# Altium PCB cheriot-test.PcbDoc (part 7 of 12) (continued)
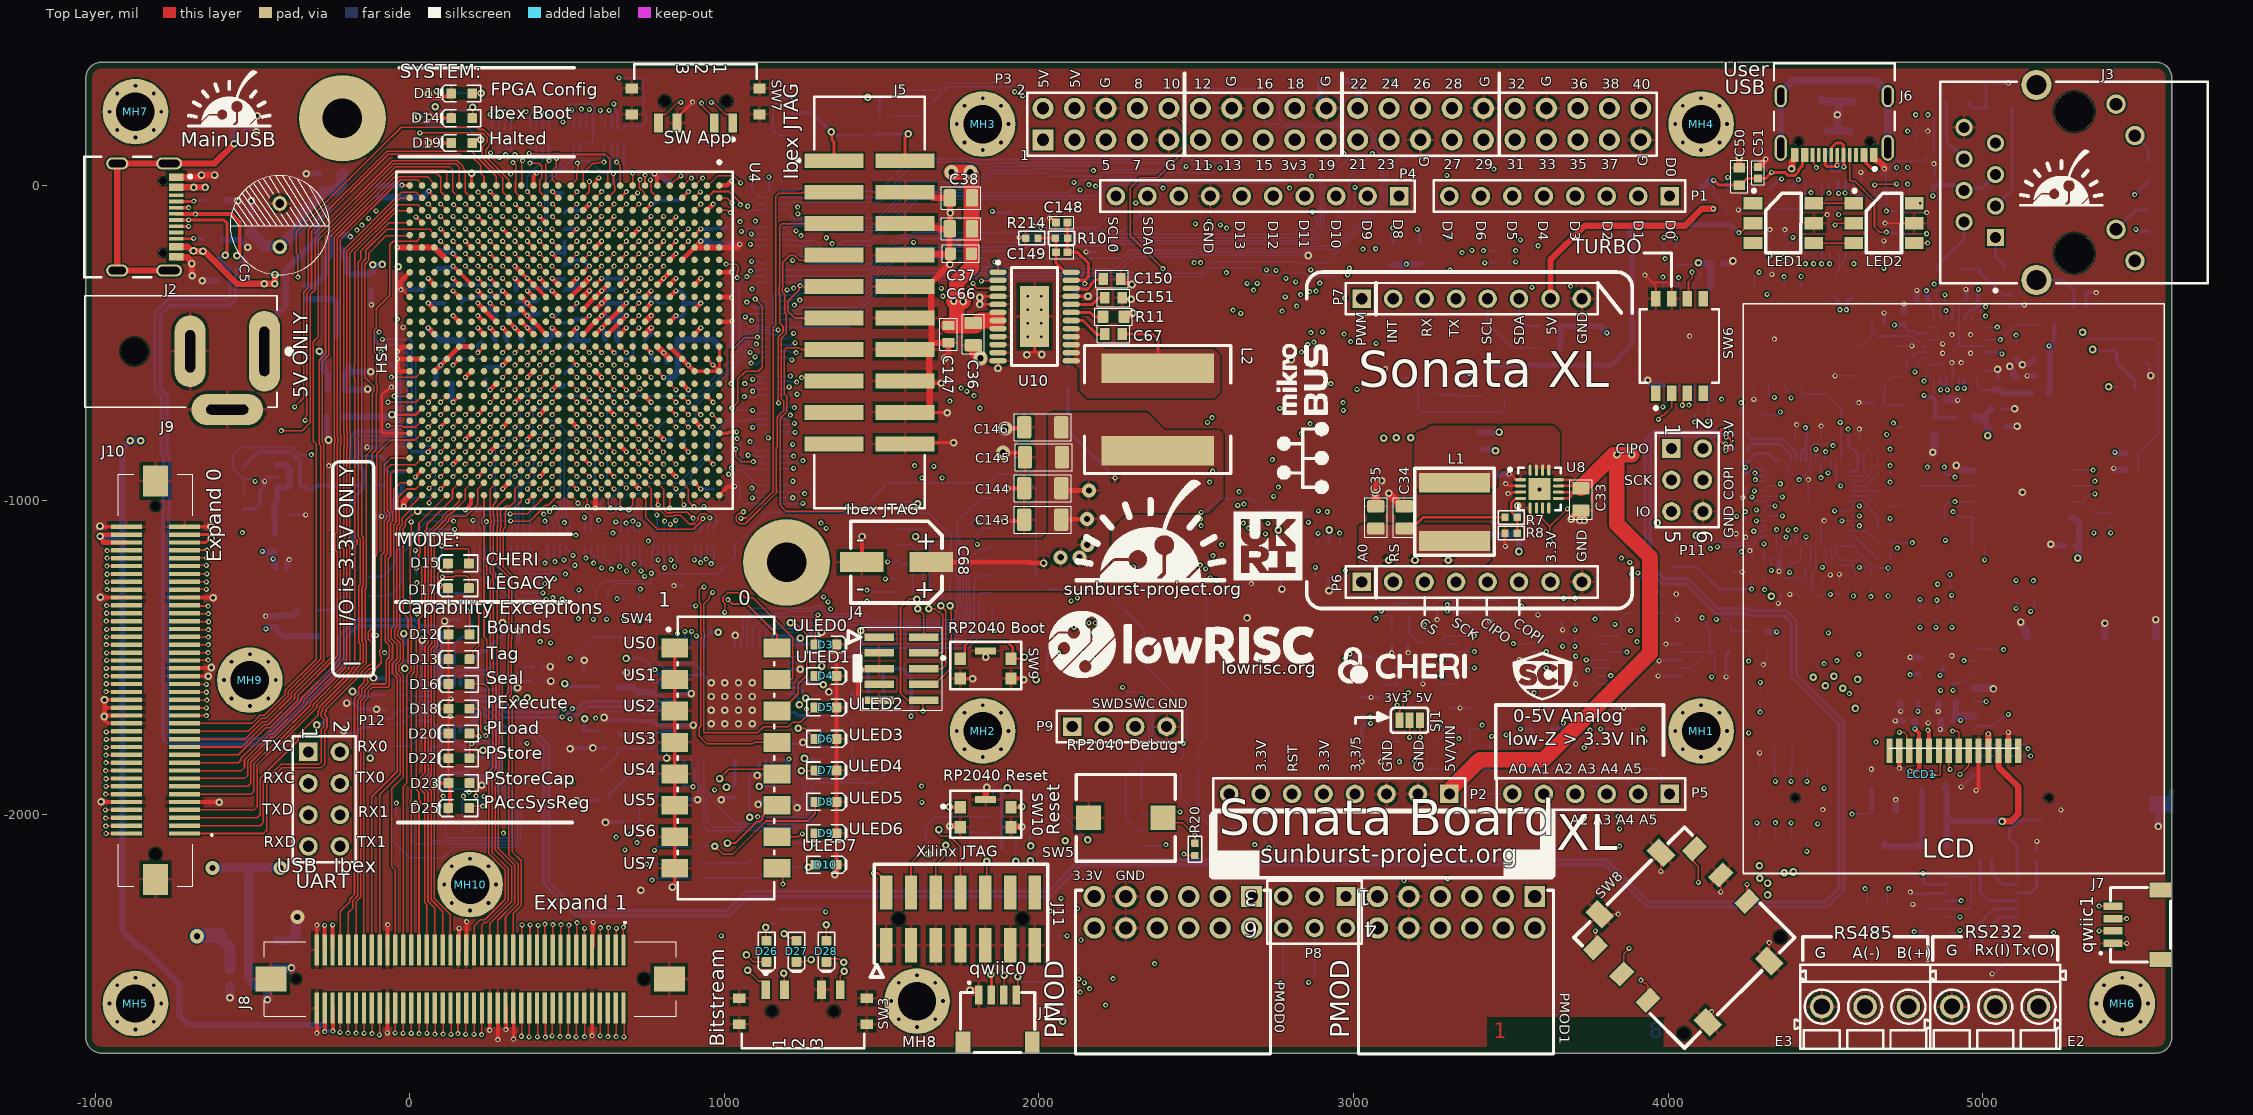
[diagram p0: Top Layer view]
## Nets (pads, with @x,y where several pads share a name; then routed paths per layer and width w, separated by ;. In a path a pad name is that pad's centre, name@x,y a point inside that pad or via, vN(x,y) a via of type N, cw(c..) or ccw(c..) an arc to the next point about the centre after c; other vN are vias at no path point) (continued)
  Bottom Layer w10: v1@-461,-932.57 -455.02,-926.59 -421.83,-926.59 U15.2@-421.17,-925.92 ; C57.2@-380.46,-1048.17 -379.29,-1047 v1(-331,-1047) ; v1(-257,-890) -255.85,-891.15 -235.23,-891.15 C58.2@-228.02,-898.36 ; v1(-135,-832) -134.74,-831.74 C152.2@-78.23,-831.74 ; v1@-87,-1053 -87,-1051.62 -86.23,-1050.85 -66.85,-1050.85 -52,-1036 -52,-999 -25.35,-972.35 -25.35,-956.69 R195.1@-18.54,-949.88 ; C16.2@337.79,-369.09 338.09,-369.39 365.39,-369.39 ; v2(689,-1548) 690,-1549 722.81,-1549 C70.2@723.5,-1548.31 ; v1@808,-808 808.04,-808.04 835.93,-808.04 C21.2@836.89,-809 ; v1(2150,-211) 2150.17,-210.83 C24.2@2180.8,-210.83 ; R81.1@3025.98,-1806.81 R81.1@3025.98,-1806.81 3026.03,-1831.48 v1(3026.08,-1831.53) ; R90.1@3025.98,-1626.5 3026.14,-1626.65 v1(3055.98,-1626.65) 3085.83,-1626.65 R88.2@3085.98,-1626.81 ; v1(3085.98,-1831.62) R80.2@3085.98,-1806.81 ; v1(3121.35,-1484.42) 3121.35,-1477.45 R96.1@3121.35,-1459.61 ; v1(3173.67,-1484.42) 3173.67,-1477.45 R95.2@3173.67,-1459.61 ; v1(3220.17,-1583.95) 3220.17,-1576.98 C97.2@3220.17,-1558.35 ; v1(3265.98,-1379.93) R110.1@3265.98,-1358.06 ; R76.1@3306.3,-1660.4 3332.02,-1660.4 v1(3338.98,-1660.4) R87.1@3369.36,-1660.4 ; R109.2@3428.3,-1358.06 3428.3,-1380.24 v1(3432.98,-1384.92) ; v1(3526.87,-1507.29) U20.11@3560.16,-1507.29 ; R94.1@3566.3,-1660.4 3592.02,-1660.4 v1(3598.98,-1660.4) 3599.22,-1660.16 3629.13,-1660.16 R101.1@3629.36,-1659.92 ; v1(3586.3,-1364.73) 3586.3,-1357.77 R103.1@3586.3,-1339.92 ; v1(3664.43,-1412.42) 3664.43,-1405.45 R102.2@3664.43,-1387.6 ; v1(3705.98,-1583.63) C99.2@3705.98,-1558.03 ; R108.1@3825.98,-1660.4 3851.71,-1660.4 v1(3858.67,-1660.4) R115.1@3889.05,-1660.4 ; v1(3967.98,-1558.95) U21.13@4040.91,-1558.95 ; v1(3971.48,-1511.26) 3973.1,-1511.26 3976.6,-1507.77 U21.11@4040.91,-1507.77 ; v1(3993,-1458) 3993.71,-1457.29 4040.2,-1457.29 U21.9@4040.91,-1456.59 ; R116.2@4025.67,-1358.54 4028.36,-1361.23 4028.36,-1378.27 v1(4029.5,-1379.42) ; R117.1@4025.67,-1306.22 v1(4025.67,-1298.42) ; v1(4184.09,-1562.11) 4184.09,-1555.14 C102.2@4184.09,-1536.51 4184.09,-1493.74 4193.88,-1483.95 C101.2@4193.88,-1480.02 ; v1(4605.98,-689.92) 4606.55,-690.49 4649.2,-690.49 C108.2@4649.76,-691.05 ; v1(4770.08,-2245.75) 4771.7,-2245.75 4778,-2252.05 C64.1@4813.39,-2252.05 4815.55,-2249.88 4882.09,-2249.88 U7.14@4884.25,-2247.72 ; v1(4844.88,69.21) 4845.98,68.11 C120.2@4845.98,38.19 ; v1(5029.92,-2505.59) 5036.22,-2505.59 C62.2@5069.29,-2472.52 ; C119.1@5041.73,325.12 v1(5081.1,325.12) ; C129.2@5064.09,-709.89 v2(5100.95,-709.89) ; C142.1@5088.98,-385.91 5125.98,-385.91 v1(5132.28,-379.61) ; C63.1@5171.65,-2113.46 v1(5171.65,-2084.33) ; C118.2@5327.56,-387.48 5328.35,-386.69 5328.35,-337.09 R135.2@5329.13,-336.3 5333.07,-340.24 5334.22,-339.09 5359.48,-339.09 v1(5360.63,-340.24)
  Bottom Layer w12: R38.2@-527.23,-1027.97 -491.8,-1027.97 -476.05,-1012.22 -476.05,-970.71 -461.77,-956.43 -461.77,-941.27 v1(-461,-940.5) ; v2(-210,-1732.33) -206.75,-1732.33 -195.08,-1744 -174,-1744 -152.13,-1722.13 R17.1@-121.34,-1722.13 ; v2(-200,-1645) -180,-1645 -161.85,-1663.15 R13.2@-134.08,-1663.15 -133.15,-1664.08 -105.92,-1664.08 v2(-105,-1665) -84.27,-1665 C94.2@-80.19,-1669.08 ; v2(-115,-1565) -113.37,-1566.63 R14.2@-81.76,-1566.63 ; v2(-18.48,-1424.18) -18.48,-1454.37 C42.2@-16.08,-1456.78 ; v2(40,-1445) 40.21,-1445.21 40.21,-1472.09 40,-1472.29 C43.2@40.41,-1472.71 ; v2(85.32,-1900) 118.19,-1867.13 C47.2@122.13,-1867.13 172.87,-1867.13 C46.2@180,-1860 ; v2(110.87,-1384.31) 114.11,-1384.31 118.42,-1380 C96.2@151.89,-1380 ; C46.2@185.6,-1860 185.6,-1871.57 192.63,-1878.6 228.15,-1878.6 C45.2@231.87,-1874.87 ; X1.4@201.31,-1503.17 205.25,-1503.17 228.41,-1480 240.22,-1480 270,-1450.22 X1.2@270,-1450 ; v2(229.37,-1906.5) 229.37,-1883.22 C45.2@231.07,-1881.52 ; X1.2@287.92,-1436.24 295,-1429.16 v2(295,-1390) ; C44.2@313.11,-1605 319.31,-1598.8 340.44,-1598.8 v2(342.74,-1596.51) ; v2(345,-1415) 346.21,-1416.21 C95.2@346.21,-1449.23 ; v1@376,-376 383.65,-368.35 403.88,-368.35 C9.2@410.48,-361.75 ; v1@453,-296 454.31,-296 455.16,-296.85 C17.2@492.13,-296.85 ; v1@453,-214 489.59,-214 C23.2@492.13,-216.54 ; C23.2@491,-219 492.13,-217.87 C23.2@492.13,-216.54 ; C27.2@492.13,-177.17 C23.2@492.13,-216.54 ; C156.2@492.13,-86.61 499.32,-79.43 550.57,-79.43 v1@569,-61 ; v2(510,-1790) 512.44,-1787.56 C72.2@550,-1787.56 v2(582.56,-1787.56) ; v2(530,-1955) 530.79,-1954.21 Y1.2@602.01,-1954.21 ; C69.2@553.5,-1538.31 553.5,-1510.5 v2(555,-1509) ; v2@580,-1790 581.22,-1788.78 620.67,-1788.78 C78.2@621.89,-1790 ; v2(618,-1691) 626.88,-1699.88 C73.2@720,-1699.88 ; v2(622.5,-2024.5) 623.69,-2023.31 682.83,-2023.31 C77.2@684.02,-2022.13 ; C73.2@720,-1701.83 773.05,-1701.83 C74.2@775,-1703.78 ; C26.2@746.46,-492.13 769,-469.58 769,-455.12 768.48,-454.6 768.48,-452.52 v1@769,-452 ; C74.2@781,-1709.78 785.98,-1714.76 U5.5@845.35,-1714.76 845.59,-1715 v2(901,-1715) ; U5.10@845.35,-1616.34 v2@892,-1616.34 ; C117.2@872.13,-1950.24 873.26,-1951.37 913.87,-1951.37 v2(915,-1952.5) ; v2(990.39,-1952.5) 993.64,-1952.5 1000.9,-1945.24 C138.2@1032.13,-1945.24 ; C154.2@1002.36,-964.57 1008.96,-957.97 1029.92,-957.97 1031.76,-956.13 v1(1032.84,-956.13) ; v2(1107.67,-1967.17) 1109.16,-1967.17 1129.2,-1947.13 C75.2@1157.13,-1947.13 ; C76.2@1207.13,-1949.69 1211.06,-1949.69 1229.2,-1967.83 1229.2,-1975.76 v2(1231.5,-1978.06) ; v2(1250,-1770) 1264.61,-1755.39 C136.2@1264.61,-1726.65 ; C137.2@1271.1,-1421.65 1271.89,-1420.86 1308.12,-1420.86 v2(1308.91,-1420.07) ; v2(1332.62,-1609.58) U16.5@1358.49,-1609.58 ; v2(1431.62,-1540) 1434.86,-1540 1439,-1535.87 C79.2@1465.39,-1535.87 ; U16.7@1458.5,-1609.57 1458.5,-1542.76 C79.2@1460,-1541.26 ; C109.2@4684.09,-437.92 4686.4,-435.61 v1(4686.4,-405) ; v1(4931.5,-1911.1) 4932.26,-1910.34 4934.24,-1910.34 4970.28,-1874.31 SD1.11@4974.21,-1874.31 ; v1(4945.98,-329.92) 4945.98,-331 4947.87,-332.89 C131.2@4947.87,-359.92 ; v2(5047.01,-583.99) 5049,-585.98 5049,-609.82 C128.2@5050.98,-611.81
  Bottom Layer w15: v1(-28,-331) 38.18,-331 45.44,-323.74 C13.2@45.44,-322 ; v1@58,-375 v1(59.06,-374.02) C161.2@110.24,-374.02 ; C29.2@89.6,-263.91 130.09,-263.91 v1@136,-258 ; C153.2@242.51,-577.33 287.67,-577.33 v1@294,-571 ; v1@299,-457 304.38,-462.38 304.38,-487.94 C7.2@309.48,-493.04 ; C22.2@313.39,-413.39 318.48,-408.29 338.71,-408.29 v1@371,-376 ; v1(374.02,-452.76) 374.21,-452.56 396.44,-452.56 C6.2@406,-443 ; C160.2@418,-494 419,-493 440,-493 452.31,-480.69 ; 452.31,-477 452.31,-452.95 v1(452.5,-452.76) ; v1@455,-649 464.05,-639.95 486.47,-639.95 C25.2@491.57,-634.85 ; 456,-477 481.97,-477 C139.2@486.5,-472.47 ; C8.2@570.87,-454.33 610.2,-415 v1@611,-415 ; v1@610,-335 610.15,-335 614.77,-330.39 648.16,-330.39 C14.2@649.87,-328.68 ; v1@611,-413.58 623.58,-413.58 634.25,-424.25 638.74,-424.25 642,-427.51 C11.2@642,-432 ; v1@848,-416 862.91,-416 871.7,-407.21 C12.2@871.7,-374.02 ; v1@849,-336 855,-336 856,-337 862.91,-337 871.7,-345.79 C12.2@871.7,-374.02 ; v1@923.98,-374.02 C12.2@871.7,-374.02
  Bottom Layer w20: v2(-659,-303) -616.46,-303 U1.1@-615.12,-301.65 ; R4.2@-589.41,-172.13 -538.87,-172.13 v2(-515,-196) ; R1.2@-584.41,-47.13 -548.87,-47.13 v2(-547,-49) ; C116.2@-522.95,172.68 -488.68,172.68 v2(-487,171) ; R129.2@-521.38,223.86 -487.86,223.86 v2(-485,221) ; v2(-503,-49) -502.87,-49.13 C3.2@-502.87,-94.57 ; v1(-458,-1369) -408,-1369 -404.25,-1365.25 -368.13,-1365.25 -356.48,-1353.6 Y2.2@-356.48,-1349.66 ; C56.2@-389.91,-1214.66 -387.31,-1212.06 -387.31,-1193.37 v1(-383,-1189.06) ; v2(-329,37.36) -328.18,38.18 Q4.1@-286.4,38.18 ; C157.2@-264.12,-735 -264.12,-802.88 v2(-258,-809) ; R3.2@-213.31,-156 -211.5,-157.81 -193.19,-157.81 v1(-188.54,-162.46) ; Q5.1@-195.47,-580.06 -195.47,-589.2 Q5.1@-194.63,-590.04 ; Q5.1@-193,-580.06 Q5.1@-193,-577 ; v1(-183,-1133) C59.2@-183,-1100.56 ; v2(-133,-647) -134.87,-648.87 C2.2@-205.31,-648.87 -204.76,-648.32 -204.76,-600.17 Q5.1@-194.63,-590.04 ; v2(-123.39,-592) -192.68,-592 Q5.1@-194.63,-590.04 ; C1.2@-122.87,-336.43 -122.87,-378.13 v1(-122,-379) ; U14.3@-111.06,-1048.31 -111.06,-1050.19 -109.24,-1052 v1(-89,-1052) ; C155.2@-98.43,-1.57 -27.66,-1.57 v1(-25.08,1) ; v1@59,-454 97.13,-492.13 C110.2@169.29,-492.13 ; C158.2@78.74,-629.92 83.5,-625.16 83.5,-587.5 v1@97,-574 ; C11.2@657,-430 657,-428.4 672.01,-413.39 v1(688.98,-413.39) ; C159.2@660.09,-491.92 C11.2@660.09,-434.91 ; v1(778.17,37.24) 793.47,37.24 818.07,12.64 822.01,12.64 C20.2@826.77,7.87 ; v1(807.09,-531.5) 818,-542.41 C18.2@818,-559 ; v1@927,-177 927.85,-176.15 949,-176.15 959.85,-187 C19.2@1009,-187 ; C19.2@1014,-187.56 1017.56,-184 v1@1047,-184 ; C111.2@1024.56,-508 1024.56,-430.44 v1(1025,-430) ; R213.1@2894.09,332.99 2894.09,276.79 2912.99,257.9 P3.20@2912.99,245.2 ; C31.2@3402.36,-785.12 3460.19,-785.12 3461.57,-783.73 v2(3462.65,-783.73) ; C32.2@3411.81,-840.24 3447.6,-840.24 3450.1,-842.73 v2(3451.18,-842.73) ; U9.1@3421.14,-929.37 3430.83,-919.69 3470.16,-919.69 ; 3470.87,-918.98 3470.16,-919.69 ; v1(3494.49,-917.08) 3491.88,-919.69 3470.16,-919.69 ; C30.2@3514.17,-1048.9 3517.28,-1048.9 3522.05,-1044.13 v2(3522.05,-1017.4) ; v2(3934.84,-618.77) 3950.53,-634.47 U19.4@3983.51,-634.47 ; C91.2@4174.09,-249.92 4176.69,-247.32 4198.58,-247.32 v2(4205.98,-239.92) ; v1(4352.76,-1226.06) 4352.76,-1200.04 C85.2@4352.87,-1199.92 ; v1(4721.8,-1701.53) 4746.27,-1701.53 C112.2@4747.87,-1699.92 ; Q2.2@4723.39,-1988.74 v1(4723.39,-1952.12) ; C113.2@4738.43,-1639.92 4738.58,-1640.08 v1(4738.58,-1671.78) ; C132.2@4749.31,-401.89 v1(4749.31,-376.29) ; v1(4769.28,-1499.38) C121.2@4800.98,-1499.38 ; C133.2@4789.31,-361.53 4790.56,-360.28 v1(4790.56,-333.38) ; v1(4858.43,-1671.62) C115.2@4858.43,-1639.92 ; v1(4864.99,-1728.76) 4865.28,-1728.47 4865.28,-1702.52 C114.2@4867.87,-1699.92 ; v2(4915.98,-889.92) 4930.98,-904.92 U17.4@4971.44,-904.92 ; C125.2@5073.54,-766.38 5074.27,-765.65 5108.37,-765.65 v2(5109.09,-764.92) ; v2(5085.98,-574.92) 5085.98,-576 5097.28,-587.3 5097.28,-602.6 5102.05,-607.36 C124.2@5105.98,-607.36 ; 5105.98,-552.01 5106.99,-552.01 5124.9,-569.92 v2(5125.98,-569.92) 5126.75,-569.16 5144.19,-569.16 5149.72,-563.62 5153.66,-563.62 5158.43,-558.86 C123.2@5158.43,-554.92 ; U17.9@5125.98,-979.92 5130.98,-974.92 v2(5125.98,-974.92) ; v1(5140.98,-604.92) C127.2@5165.98,-604.92 ; v2(5215.98,-1139.92) 5220.98,-1144.92 C80.2@5257.87,-1144.92 ; v1(5415.75,-899.29) 5419.69,-903.23 R205.2@5455.12,-903.23 ; v2(5557.48,-2037.09) 5557.48,-1966.22
  Bottom Layer w25: C52.2@4485.98,272.52 4489.92,272.52 4495.83,266.61 4540.91,266.61 ; R35.1@4505.98,173.54 4506.89,172.64 4542.39,172.64 ; R36.1@4578.8,171.73 4577.9,172.64 4542.39,172.64 ; R33.2@4585.98,266.61 4540.91,266.61 ; v2(4840.94,-848.11) 4845.98,-843.07 C126.2@4845.98,-792.48 ; C130.2@4884.09,-679.92 4884.19,-680.02 4916.95,-680.02 v1(4919.69,-682.76) ; SD1.6@4974.21,-1596.75 5030.53,-1596.75 v2(5033.86,-1600.08) ; v2(5120.47,-1387.48) 5120.47,-1395.42 5137.38,-1412.33 5137.38,-1429.21 SD1.12@5143.5,-1435.33 ; SD1.10@5387.6,-1435.33 5387.6,-1409.61 5387.6,-1392.01 v2(5388.19,-1391.42) ; v2(5549.61,-1379.61) 5550.98,-1380.98 SD1.13@5550.98,-1435.33 ; 4540.91,266.61 4540.91,227.83 v2(4537.8,224.72) 4537.8,177.24 4542.39,172.64
  Bottom Layer w30: v2(-571,-2582) -571,-2545.41 C39.2@-570.87,-2545.28 ; v2(-452,-2588) -450.55,-2586.55 C40.2@-450.55,-2544.96 ; C41.2@-438.66,-2489.96 -378.96,-2489.96 v2(-376,-2487) ; U2.1@-421.26,-2398.62 -377.57,-2398.62 -359.87,-2380.92 -359.87,-2326.13 v4@-360,-2326
  other v1: 280,-2715 330,-2713 580,-2702 -295,-2694 -71,-2693 254,-2685 306,-2683 157,-2361 -295,-2351 -70,-2349 583,-2342 181,-2340 4777.95,-2285.12 4826.06,-1708.02 2675.59,-1265.5 4901.97,-562.68 4931.5,-562.68 4872.44,-533.15 4961.02,-533.15 4901.97,-474.09 4961.02,-474.09
  other v2: 735,-2240 1351,-2190 -981,-1959 895,-1615 2661.5,-1374.5 -983,-1309 3590.98,-966.04 2802.48,-553.05 1717,-251 2856.27,-222.55
  other v3: 958.54,-1710.83 1001.85,-1710.83 1045.16,-1710.83 1088.46,-1710.83 958.54,-1667.52 1001.85,-1667.52 1045.16,-1667.52 1088.46,-1667.52 958.54,-1624.21 1001.85,-1624.21 1045.16,-1624.21 1088.46,-1624.21 958.54,-1580.91 1001.85,-1580.91 1045.16,-1580.91 1088.46,-1580.91
  other v4: -357,-2325
  other v5: 1964.57,-481.3 2007.87,-481.3 1964.57,-437.99 2007.87,-437.99 1964.57,-394.69 2007.87,-394.69 1964.57,-351.38 2007.87,-351.38
LCD_BACKLIGHT: Q2.1 R133.1 U4.R3 | length 6157.3
  Top Layer w5: v1(413.39,-59.06) U4.R3@433.07,-78.74
  Int1 (Sign) w5: v1(2917,-1037) 2952.52,-1072.52 3505.09,-1072.52 3535.5,-1102.93 3613.05,-1102.93 3613.85,-1102.14 3780.01,-1102.14 3843.34,-1165.47 3871.53,-1165.47 4001.91,-1295.85 4001.91,-1308.29 4153.37,-1459.75 4153.37,-1589.67 4425.73,-1862.03 4430.35,-1862.03 4466.93,-1898.61 4466.93,-2026.28 4467.75,-2027.11 4472.7,-2027.11 v1(4474.8,-2029.21)
  Int3 (Sign) w5: v1(413.39,-59.06) 428.89,-43.56 428.89,3.03 476.36,50.5 480.7,50.5 501.5,71.3 501.5,75.64 599.86,174 650.01,174 654.62,178.61 713.78,178.61 717.91,182.74 770.88,182.74 776.15,188 799.35,188 822.35,211 1338.78,211 1339.6,211.82 1364.04,211.82 1364.86,211 1370.14,211 1678.5,-97.36 1678.5,-103.36 1701.64,-126.5 1707.64,-126.5 1722.64,-141.5 1762.36,-141.5 1778.36,-157.5 1908.44,-157.5 1926.44,-139.5 1947.56,-139.5 1972.73,-164.67 1986.46,-164.67 1989.3,-167.5 2018.7,-167.5 2028.2,-158 2110.37,-158 2122.87,-145.5 2273.13,-145.5 2287.36,-159.73 2556.41,-159.73 2557.69,-161 2843,-161 2904,-222 2904,-265.88 2892.65,-277.23 v1(2892.65,-310.5) ; v1(2917,-1037) 2993.5,-960.5 2993.5,-694.58 2957.21,-658.29 2956.49,-658.29 v1(2927.6,-629.4)
  Int4 (Sign) w5: v1(4474.8,-2029.21) 4476.56,-2029.21 4486.64,-2019.13 4563.62,-2019.13 v1(4585.04,-1997.72)
  Int6 (Sign) w5: v1(2892.65,-310.5) 2892.92,-310.77 2892.92,-326 2896.5,-329.58 2896.5,-402.5 2928,-434 2928,-629 v1(2927.6,-629.4)
  Bottom Layer w5: v1(4585.04,-1997.72) 4638.29,-1997.72 4647.28,-1988.72 Q2.1@4647.28,-1987.44
  Bottom Layer w15: R133.1@4645.98,-1919.61 4647.28,-1920.91 Q2.1@4647.28,-1987.44
LCD_CLK: LCD1.9 U4.P5 | length 6894
  Top Layer w5: v1(452.76,-137.8) U4.P5@472.44,-157.48 ; v1(4840.94,-1875.67) 4841.68,-1874.93 4862.38,-1874.93 4865.31,-1872 4865.31,-1801.6 LCD1.9@4862.6,-1798.89 ; LCD1.9@4862.6,-1798.89 4860.64,-1800.86 LCD1.9@4860.64,-1796.93 LCD1.9@4862.6,-1798.89
  Int3 (Sign) w5: v1(452.76,-137.8) 433,-118.04 433,-86 428,-81 425,-81 423,-79 402,-79 395,-72 395,-11 466.5,60.5 476.56,60.5 491.5,75.44 491.5,79.78 595.72,184 645.86,184 650.48,188.61 689.33,188.61 693.46,192.74 766.74,192.74 772.01,198 775.7,198 798.7,221 1334.64,221 1335.46,221.82 1368.18,221.82 1369.01,221 1374.28,221 1688.5,-93.22 1688.5,-99.22 1705.78,-116.5 1711.78,-116.5 1726.78,-131.5 1766.5,-131.5 1782.5,-147.5 1904.3,-147.5 1922.3,-129.5 1951.7,-129.5 1976.87,-154.67 1990.6,-154.67 1993.44,-157.5 2014.56,-157.5 2024.06,-148 2106.23,-148 2118.73,-135.5 2277.27,-135.5 2291.5,-149.73 2560.56,-149.73 2561.83,-151 2847.14,-151 2914,-217.86 2914,-318.63 2896.63,-336 v1(2881,-336)
  Int4 (Sign) w5: v1(2881,-336) 2881,-335.58 2867.42,-322 2835.78,-322 2829.28,-328.5 2827.64,-328.5 2814.74,-341.4 2806.46,-341.4 2793.56,-328.5 2751.93,-328.5 2672,-408.43 2672,-444.72 2650,-466.72 2650,-926.86 2653.16,-930.02 2749.92,-930.02 2750.44,-929.5 2771.56,-929.5 2772.08,-930.02 2876.43,-930.02 2879.29,-932.89 2918.95,-932.89 3029.53,-1043.46 3242.68,-1043.46 3281.56,-1004.58 3502.05,-1004.58 3508.73,-997.9 3703.96,-997.9 3988.98,-1282.92 4181.56,-1282.92 4245.06,-1346.42 4254.61,-1346.42 4311.66,-1403.48 4616.61,-1403.48 4644,-1430.87 4644,-1626.85 4654.5,-1637.35 4654.5,-1686.65 4644,-1697.15 4644,-1727.94 4699.5,-1783.44 4763.44,-1783.44 4810.06,-1830.06 4810.06,-1864.47 4821.26,-1875.67 v1(4840.94,-1875.67)
LCD_COPI: LCD1.8 U4.M2 | length 6191.9
  Top Layer w5: U4.M2@551.18,-39.37 570.87,-19.69 v1(570.87,12.71) ; LCD1.8@4892.13,-1789.28 4892.13,-1849.07 4896.06,-1853.01 v1(4896.06,-1855.98)
  Int3 (Sign) w5: v1(570.87,12.71) 585.66,27.5 585.66,30.49 607.7,52.53 610.45,52.53 616.92,59 623.35,59 632.43,68.08 632.43,74.51 632.43,90.57 655.86,114 674.86,114 679.47,118.61 738.64,118.61 742.76,122.74 795.74,122.74 801,128 824.2,128 839.2,143 1297.42,143 1319.46,120.96 1361.61,120.96 1688.57,-206 1692,-206 1696.5,-201.5 1737.5,-201.5 1753.5,-217.5 1870.56,-217.5 1877.73,-224.67 1961.61,-224.67 1964.44,-227.5 2043.56,-227.5 2044.56,-226.5 2156.42,-226.5 2159.92,-223 2231.94,-223 2237.44,-228.5 2254.42,-228.5 2255.42,-227.5 2257.56,-227.5 2264.06,-221 2481.17,-221 2482.44,-219.73 2531.56,-219.73 2532.83,-221 2733.67,-221 2769.5,-256.83 2769.5,-312.51 2792,-335.01 2792,-342.02 2783,-351.02 v1(2783,-354)
  Int4 (Sign) w5: v1(2783,-354) 2754.72,-354 2692,-416.72 2692,-453.01 2670,-475.01 2670,-907.09 2672.93,-910.02 2741.63,-910.02 2742.15,-909.5 2779.85,-909.5 2780.37,-910.02 2884.71,-910.02 2887.58,-912.89 2927.23,-912.89 3037.81,-1023.46 3231.5,-1023.46 3287.54,-967.42 3481.23,-967.42 3485.91,-962.74 3489.46,-962.74 3498.54,-953.66 3498.54,-950.11 3502.11,-946.54 3680.88,-946.54 3997.27,-1262.92 4189.84,-1262.92 4253.34,-1326.42 4262.89,-1326.42 4319.95,-1383.48 4624.89,-1383.48 4664.51,-1423.09 4664.51,-1619.08 4674.5,-1629.07 4674.5,-1694.93 4664.51,-1704.92 4664.51,-1718.41 4709.54,-1763.44 4841.31,-1763.44 4896.06,-1818.19 v1(4896.06,-1855.98)
LCD_CS: LCD1.12 U4.P3 | length 6323.3
  Top Layer w5: v1(454.39,-59.06) 454.39,-59.87 472.44,-77.93 U4.P3@472.44,-78.74 ; v1(4734.65,-1737.87) 4750.39,-1737.87 4758.8,-1746.28 4758.8,-1789.58 LCD1.12@4766.15,-1796.93
  Int3 (Sign) w5: v1(454.39,-59.06) 438.89,-43.56 438.89,-1.11 480.5,40.5 484.85,40.5 511.5,67.15 511.5,71.5 526.43,86.43 534.31,86.43 611.88,164 654.15,164 658.76,168.61 717.93,168.61 722.05,172.74 775.03,172.74 780.29,178 803.49,178 826.49,201 1342.92,201 1343.75,201.82 1359.9,201.82 1360.72,201 1366,201 1668.5,-101.5 1668.5,-107.5 1697.5,-136.5 1703.5,-136.5 1718.5,-151.5 1758.21,-151.5 1774.21,-167.5 1912.58,-167.5 1930.58,-149.5 1943.42,-149.5 1968.59,-174.67 1982.32,-174.67 1985.15,-177.5 2022.85,-177.5 2032.35,-168 2114.51,-168 2127.01,-155.5 2268.99,-155.5 2284.49,-171 2460.46,-171 2461.73,-169.73 2552.27,-169.73 2553.54,-171 2777.14,-171 2848.19,-242.05 2859.47,-242.05 2879.5,-262.08 2879.5,-290.8 2861,-309.3 2861,-336.63 v1(2860.06,-337.57)
  Int4 (Sign) w5: v1(2860.06,-337.57) 2848.98,-348.65 2848.98,-351.94 2838.92,-362 2799,-362 2779.5,-381.5 2741.36,-381.5 2702,-420.86 2702,-457.15 2680,-479.15 2680,-897.09 2682.93,-900.02 2737.49,-900.02 2738.01,-899.5 2783.99,-899.5 2784.51,-900.02 2888.85,-900.02 2891.72,-902.89 2931.38,-902.89 3041.95,-1013.46 3176.77,-1013.46 3258.49,-931.74 3487.23,-931.74 3488.07,-932.58 3681.07,-932.58 4001.41,-1252.92 4193.98,-1252.92 4257.48,-1316.42 4267.04,-1316.42 4324.09,-1373.48 4629.04,-1373.48 4674.51,-1418.95 4674.51,-1614.94 4696.3,-1636.73 4696.3,-1712.09 4719.98,-1735.77 4732.54,-1735.77 v1(4734.65,-1737.87)
LCD_DC: LCD1.7 U4.L3 | length 5888.7
  Top Layer w5: U4.L3@590.55,-78.74 v1(610.24,-59.06) ; v1(4903.94,-1733.94) 4919.69,-1733.94 4923.63,-1737.88 LCD1.7@4923.63,-1796.93
  Int3 (Sign) w5: v1(610.24,-59.06) 611.23,-59.06 683.17,12.89 683.17,49.54 693.5,59.86 693.5,65.16 706.96,78.61 755.2,78.61 759.33,82.74 812.31,82.74 816.57,87 839.77,87 851.77,99 1183.57,99 1191.61,90.96 1292.89,90.96 1307.85,76 1316,76 1628,-236 1704.42,-236 1708.92,-231.5 1725.08,-231.5 1736.5,-242.92 1736.5,-244.93 1742.57,-251 1831.94,-251 1849.44,-268.5 2059.13,-268.5 2061.13,-266.5 2172.99,-266.5 2176.49,-263 2215.37,-263 2220.87,-268.5 2270.99,-268.5 2271.99,-267.5 2274.13,-267.5 2278.63,-263 2314.5,-263 2341,-289.5 2538.78,-289.5 2566.78,-261.5 2680.44,-261.5 2748,-329.06 2748,-343.92 2754.53,-350.45 2754.53,-380.53 v1(2773,-399)
  Int4 (Sign) w5: v1(2773,-399) 2770.99,-396.99 2757.5,-396.99 2754.01,-393.5 2743.5,-393.5 2712,-425 2712,-461.29 2690,-483.29 2690,-845.63 2733.87,-889.5 2788.13,-889.5 2788.65,-890.02 2892.99,-890.02 2895.86,-892.89 2940.03,-892.89 2949.38,-902.23 3475.83,-902.23 3476.48,-901.58 3664.21,-901.58 4005.55,-1242.92 4198.13,-1242.92 4261.63,-1306.42 4271.18,-1306.42 4328.23,-1363.48 4633.18,-1363.48 4706.3,-1436.6 4706.3,-1707.95 4720.73,-1722.37 4741.07,-1722.37 4762.95,-1744.26 4816.53,-1744.26 4818.78,-1746.5 4831.62,-1746.5 4833.86,-1744.26 4892.34,-1744.26 4902.66,-1733.94 v1(4903.94,-1733.94)
LCD_RST: LCD1.6 U4.P6 | length 6610
  Top Layer w5: v1(452.76,-177.17) U4.P6@472.44,-196.85 ; v1(4927.56,-1871.73) 4955.12,-1844.17 LCD1.6@4955.12,-1796.93
  Int3 (Sign) w5: v1(452.76,-177.17) 482,-147.92 482,13.72 488.78,20.5 493.13,20.5 503.63,31 528.98,31 571.5,73.52 571.5,92.93 622.57,144 662.43,144 667.04,148.61 726.21,148.61 730.33,152.74 783.31,152.74 788.57,158 811.77,158 826.77,173 1309.85,173 1331.88,150.96 1374.04,150.96 1696.5,-171.5 1749.93,-171.5 1765.93,-187.5 1882.99,-187.5 1890.15,-194.67 1974.03,-194.67 1976.87,-197.5 2031.13,-197.5 2040.63,-188 2122.8,-188 2135.3,-175.5 2260.7,-175.5 2276.2,-191 2468.74,-191 2470.01,-189.73 2543.99,-189.73 2545.26,-191 2746.09,-191 2824.84,-269.75 2824.84,-284.7 2827.73,-287.59 2827.73,-295.13 2833.43,-300.83 2833.43,-345.07 v1(2832,-346.5)
  Int4 (Sign) w5: v1(2832,-346.5) 2829.9,-348.6 2821.68,-348.6 2818.28,-352 2802.92,-352 2789.42,-338.5 2756.07,-338.5 2682,-412.57 2682,-448.86 2660,-470.86 2660,-917.09 2662.93,-920.02 2745.77,-920.02 2746.3,-919.5 2775.7,-919.5 2776.23,-920.02 2880.57,-920.02 2883.43,-922.89 2923.09,-922.89 3033.67,-1033.46 3238.53,-1033.46 3277.42,-994.58 3497.91,-994.58 3504.59,-987.9 3708.11,-987.9 3993.13,-1272.92 4185.7,-1272.92 4249.2,-1336.42 4258.75,-1336.42 4315.81,-1393.48 4620.75,-1393.48 4654.51,-1427.23 4654.51,-1623.22 4664.5,-1633.21 4664.5,-1690.79 4654.51,-1700.78 4654.51,-1722.55 4705.4,-1773.44 4775.36,-1773.44 4809.2,-1807.28 4809.2,-1815.06 4865.87,-1871.73 v1(4927.56,-1871.73)
LED_BOOTOK: R158.1 U4.M5 | length 857.2
  Top Layer w5: U4.M5@551.18,-157.48 v1(570.87,-137.8)
  Int1 (Sign) w5: v2@85,250 124,250 159,215 219.14,215 249.14,185 476,185 493,168 493,-81.85 527.15,-116 549.07,-116 v1(570.87,-137.8)
  Bottom Layer w5: v2(81,250) 93.13,237.87 R158.1@112.44,237.87
LED_CHERI: R155.1 U4.N6 | length 1727.4
  Top Layer w5: U4.N6@511.81,-196.85 v1(531.5,-177.17)
  Int1 (Sign) w5: v1(18,-1160) -5,-1137 -5,-1080.92 -10.5,-1075.42 -10.5,-1055.43 -9.07,-1054 -9.07,-1030.99 -3.5,-1025.42 -3.5,-1012.58 -9.07,-1007.01 -9.07,-949.08 -17.44,-940.7 -17.44,-911.3 -9.07,-902.92 -9.07,-536.38 -81.5,-463.95 -81.5,-459.58 -89,-452.08 -89,-277.93 -86.07,-275 -46.58,-275 -44.08,-277.5 187.5,-277.5 190,-275 200.5,-264.5 200.5,-170.5 211,-160 478,-160 495.17,-177.17 v1(531.5,-177.17)
  Bottom Layer w5: v1@16,-1163 18,-1165 18,-1182.69 R155.1@22.44,-1187.13
LED_HALTED: R159.1 U4.M6 | length 1001.6
  Top Layer w5: U4.M6@551.18,-196.85 v1(570.87,-177.17)
  Int1 (Sign) w5: v2(28,219) 49,198 222,198 248,172 471,172 481,162 481,92.92 481.5,92.42 481.5,79.58 481,79.08 481,-123 515,-157 550.7,-157 v1(570.87,-177.17)
  Bottom Layer w5: v2(28,219) 57.18,189.82 105.49,189.82 R159.1@112.44,182.87
LED_LEGACY: R157.1 U4.N7 | length 1692.1
  Top Layer w5: U4.N7@511.81,-236.22 v1(531.5,-216.54)
  Int1 (Sign) w5: v1(21,-1216) 40,-1216 44,-1212 44,-1040.85 45.42,-1039.43 45.42,-1028.48 36.5,-1019.56 36.5,-1010.5 16.5,-990.5 16.5,-946.37 2.56,-932.42 2.56,-919.58 10.93,-911.2 10.93,-519.08 -69,-439.14 -69,-366 -57,-354 27,-354 28,-353 264,-353 272.5,-344.5 ; 272,-344 272,-247 283,-236 480.53,-236 499.99,-216.54 v1(531.5,-216.54)
  Bottom Layer w5: v1@20,-1219 21,-1220 21,-1235.69 R157.1@22.44,-1237.13
MAINCLK: R122.2 U4.N21 | length 1141.3
  Top Layer w5: U4.N21@511.81,-787.4 v1(531.5,-807.09)
  Int6 (Sign) w5: v1(143,-1093) 183,-1133 430.12,-1133 v1(491.92,-1071.21)
  Bottom Layer w5: v1(491.92,-1071.21) 489.82,-1069.1 489.82,-1059.04 486.11,-1055.33 486.11,-1052.08 482.62,-1048.59 482.62,-1044.45 484.5,-1042.56 484.5,-1035.56 486.5,-1033.56 486.5,-1026.64 488,-1025.14 488,-1024.55 491,-1021.55 491,-819 502.91,-807.09 v1(531.5,-807.09)
  Bottom Layer w6: R122.2@-133.54,-1304 -64,-1304 -25,-1265 -25,-1171 54,-1092 v1@141,-1092
MB0: P6.2 R178.1B | length 3929
  Int4 (Sign) w5: v1(440,220) 440,190.93 450.93,180 695.73,180 757.73,242 1212.56,242 1232.56,222 1540.56,-86 1689.42,-86 1709.92,-106.5 1726.08,-106.5 1746.58,-86 1834.08,-86 1845.58,-97.5 1858.42,-97.5 1877.91,-78.01 2045.05,-78.01 2064.49,-97.45 2064.49,-105.49 2086.51,-127.5 2151.35,-127.5 2163.85,-140 2185.29,-140 2196.29,-151 2378.2,-151 2395.7,-168.5 2435.51,-168.5 2468.01,-201 2469.81,-201 2473.24,-204.43 2545.35,-204.43 2611.5,-270.58 2611.5,-303.18 2601,-313.68 2601,-1052.21 v1(2630.5,-1081.71)
  Int6 (Sign) w5: v1(2630.5,-1081.71) 2631.62,-1082.83 2631.62,-1097.21 2707.17,-1172.76 2719.82,-1172.76 2721.98,-1174.92 3026.02,-1174.92 3097.32,-1246.22 3097.65,-1246.22 3111.36,-1259.92 P6.2@3125.98,-1259.92
  Bottom Layer w5: v1(440,220) 441.81,218.19 R178.1B@441.81,178.15
MB1: P6.3 R178.2B | length 4102.8
  Int4 (Sign) w5: v1(420,230) 420,180.93 430.93,170 699.87,170 761.87,232 1208.42,232 1228.42,212 1536.42,-96 1685.28,-96 1705.78,-116.5 1730.22,-116.5 1750.72,-96 1829.94,-96 1841.44,-107.5 1862.56,-107.5 1882.05,-88.01 2040.91,-88.01 2054.49,-101.59 2054.49,-109.63 2082.36,-137.5 2147.21,-137.5 2159.71,-150 2181.14,-150 2192.14,-161 2336.04,-161 2353.99,-178.95 2358.13,-178.95 2358.59,-178.5 2431.36,-178.5 2463.86,-211 2465.67,-211 2469.1,-214.43 2537.57,-214.43 2573.5,-250.36 2573.5,-285.07 2588,-299.57 2588,-985.56 2591,-988.56 2591,-1064.13 2624.08,-1097.21 2636.92,-1097.21 2647.51,-1086.62 2647.51,-1075.13 v1(2649.62,-1073.02)
  Int6 (Sign) w5: v1(2649.62,-1073.02) 2649.62,-1099.26 2713.12,-1162.76 2723.96,-1162.76 2726.13,-1164.92 3130.98,-1164.92 P6.3@3225.98,-1259.92
  Bottom Layer w5: v1(420,230) 422.13,227.87 R178.2B@422.13,178.15
MB2: P6.4 R178.3B | length 4176.1
  Int4 (Sign) w5: v1(400,220) 400,170.93 403.43,167.5 406.6,167.5 414.1,160 704.01,160 766.01,222 1204.28,222 1224.28,202 1532.28,-106 1681.14,-106 1701.64,-126.5 1857.7,-126.5 1880.54,-103.67 2011.73,-103.67 2037.56,-129.5 2060.22,-129.5 2078.22,-147.5 2143.07,-147.5 2155.57,-160 2177,-160 2188,-171 2331.9,-171 2351.9,-191 2360.23,-191 2362.73,-188.5 2425.27,-188.5 2427.77,-191 2429.72,-191 2459.72,-221 2461.53,-221 2466.53,-226 2535,-226 2540,-231 2540,-265.72 2576,-301.72 2576,-830.85 2578,-832.85 2578,-989.7 2581,-992.7 2581,-1068.27 2615,-1102.27 2615,-1106.07 2617.93,-1109 2647.41,-1109 2665.68,-1090.73 v1(2665.68,-1089.12)
  Int6 (Sign) w5: v1(2665.68,-1089.12) 2665.68,-1101.06 2687.66,-1123.04 2687.66,-1123.15 2717.26,-1152.76 2728.1,-1152.76 2730.27,-1154.92 3220.98,-1154.92 P6.4@3325.98,-1259.92
  Bottom Layer w5: v1(400,220) 402.44,217.56 R178.3B@402.44,178.15